# KiCad board usb_power_board.kicad_pcb (continued)
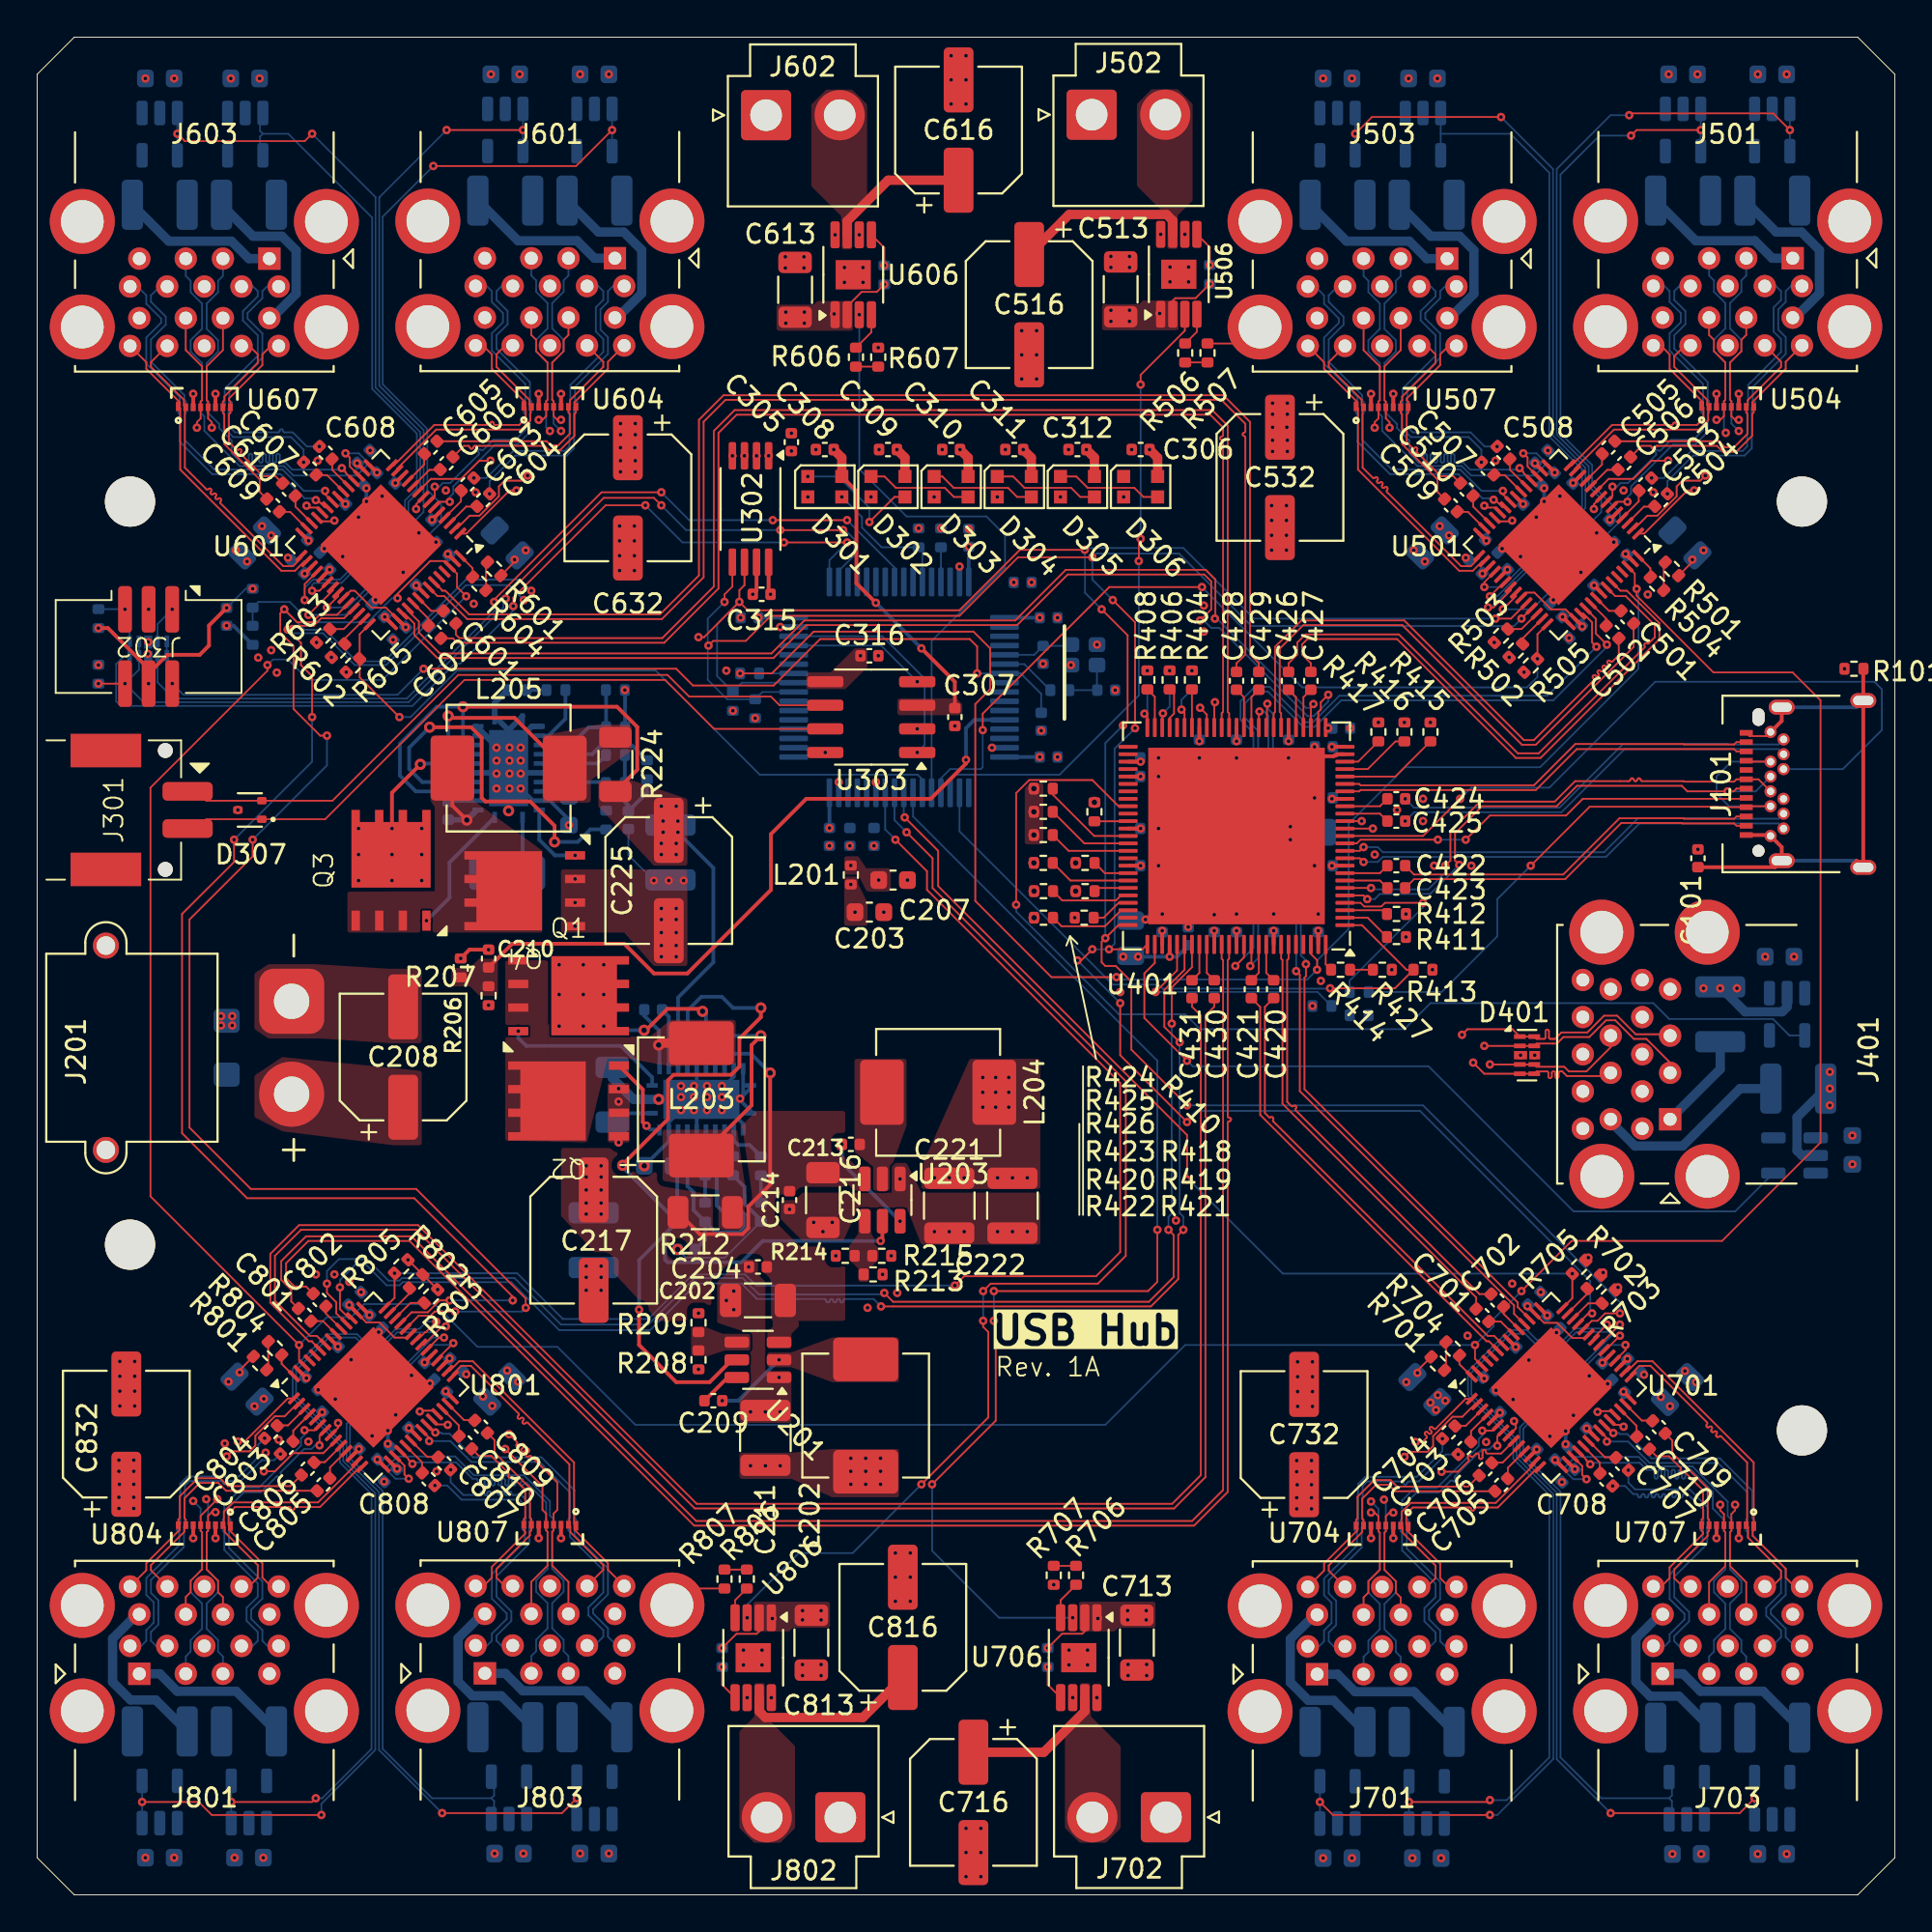
[diagram p0: board, top side]
## Routing (per net, layer and track width the routed paths; a pad name or vN(x,y) marks a point on that pad's centre or on a via; arc(x,y) is an arc through that point) (continued)
Net-(U501A-USB3UP_TXDP): length 1.6
  Top w0.095: U501.47 84.46,68.7 C502.2
Net-(U506-CL): length 1.8
  Top w0.09: U506.4 62.43,84.14 R506.1
Net-(U506-DELAY): length 1.9
  Top w0.095: U506.5 63.12,88.69 v1(63.12,87.74)
Net-(U601A-SPI_CE_N/CFG_NON_REM): length 1.8
  Top w0.095: U601.41 16.56,67.63 R602.2
Net-(U601A-SPI_DI/CFG_BC_EN): length 1.9
  Top w0.095: R603.2 16.51,68.14 U601.40
Net-(U601A-USB3UP_TXDM): length 1.6
  Top w0.095: U601.48 21.21,69.12 C601.2
Net-(U601A-USB3UP_TXDP): length 1.6
  Top w0.095: C602.2 21.06,68.7 U601.47
Net-(U606-CL): length 2.1
  Top w0.095: R606.1 44.91,84.11 U606.4
Net-(U606-DELAY): length 1.9
  Top w0.095: U606.5 45.6,88.67 v1(45.6,87.71)
Net-(U701A-SPI_CE_N/CFG_NON_REM): length 1.8
  Top w0.095: R702.2 83.44,32.35 U701.41
Net-(U701A-SPI_DI/CFG_BC_EN): length 1.9
  Top w0.095: U701.40 83.49,31.84 R703.2
Net-(U701A-USB3UP_TXDM): length 1.6
  Top w0.095: C701.2 78.79,30.86 U701.48
Net-(U701A-USB3UP_TXDP): length 1.6
  Top w0.095: C702.2 78.94,31.27 U701.47
Net-(U706-CL): length 2.1
  Top w0.095: R706.1 55.09,15.86 U706.4
Net-(U706-DELAY): length 1.9
  Top w0.095: U706.5 54.4,11.31 v1(54.4,12.27)
Net-(U801A-SPI_CE_N/CFG_NON_REM): length 1.8
  Top w0.095: R802.2 20.04,32.37 U801.41
Net-(U801A-SPI_DI/CFG_BC_EN): length 1.9
  Top w0.095: R803.2 20.09,31.86 U801.40
Net-(U801A-USB3UP_TXDM): length 1.6
  Top w0.09: C801.2 15.39,30.88 U801.48
Net-(U801A-USB3UP_TXDP): length 1.6
  Top w0.09: C802.2 15.54,31.3 U801.47
Net-(U806-CL): length 1.8
  Top w0.09: R806.1 37.57,15.86 U806.4
Net-(U806-DELAY): length 1.9
  Top w0.095: U806.5 36.87,11.31 v1(36.87,12.26)

## Copper pours and planes (outline as drawn; the poured copper is in the pictures)
+1V2 on Top: 47.6,38 47.6,39.2 50.2,45 54,45 54,38
+1V2 on Bottom: 75.6,74.38 76.6,73.38 78,73.38 78.4,72.98 78.4,72.78 78,72.38 77.8,72.38 77.6,72.58 75.8,72.58 74.8,73.58
+1V2 on Bottom: 12.2,74.38 13.2,73.38 14.6,73.38 15,72.98 15,72.78 14.6,72.38 14.4,72.38 14.2,72.58 12.4,72.58 11.4,73.58
+1V2 on Bottom: 70.16,55 70.16,59.4 69.36,59.4 69.36,58.6 68.76,58 68.76,56.4 69.36,55.8 69.36,55
+1V2 on Bottom: 87.8,25.6 86.8,26.6 85.4,26.6 85,27 85,27.2 85.4,27.6 85.6,27.6 85.8,27.4 87.6,27.4 88.6,26.4
+1V2 on Bottom: 24.4,25.62 23.4,26.62 22,26.62 21.6,27.02 21.6,27.22 22,27.62 22.2,27.62 22.4,27.42 24.2,27.42 25.2,26.42
+1V2 on PWRF.Cu: 0,100 0,0 100,0 100,100
+5V on Top: 46.3,64.4 49.5,64.4 49.8,64.1 49.8,63.5 46.4,63.5 46.3,63.6
+5V on Top: 32,60 30.2,60 30.2,58.6 33.2,55.4 35,55.4 35,59
+5V on Bottom: 6.8,1.4 8,1.4 8,4.6 7.2,4.6 7.2,3 6.8,2.6
+5V on Bottom: 74.4,98.38 73.2,98.38 73.2,95.18 74,95.18 74,96.78 74.4,97.18
+5V on Bottom: 11,98.38 9.8,98.38 9.8,95.18 10.6,95.18 10.6,96.78 11,97.18
+5V on Bottom: 5.6,23.8 5.6,20.4 4,20.4 4,23.8
+5V on Bottom: 25.6,1.62 26.8,1.62 26.8,4.82 26,4.82 26,3.22 25.6,2.82
+5V on Bottom: 6.4,98.38 5.2,98.38 5.2,95.18 6,95.18 6,96.78 6.4,97.18
+5V on Bottom: 70.2,1.38 71.4,1.38 71.4,4.58 70.6,4.58 70.6,2.98 70.2,2.58
+5V on Bottom: 93.6,1.6 94.8,1.6 94.8,4.8 94,4.8 94,3.2 93.6,2.8
+5V on Bottom: 25,98.6 23.8,98.6 23.8,95.4 24.6,95.4 24.6,97 25,97.4
+5V on Bottom: 69.8,98.38 68.6,98.38 68.6,95.18 69.4,95.18 69.4,96.78 69.8,97.18
+5V on Bottom: 98.21,40.35 94.96,40.35 94.96,41.1 96.96,41.1 97.21,41.35 98.21,41.35
+5V on Bottom: 66.1,77.3 66.1,80.7 67.7,80.7 67.7,77.3
+5V on Bottom: 29.8,98.6 28.6,98.6 28.6,95.4 29.4,95.4 29.4,97 29.8,97.4
+5V on Bottom: 88.4,98.6 87.2,98.6 87.2,95.4 88,95.4 88,97 88.4,97.4
+5V on Bottom: 30.2,1.62 31.4,1.62 31.4,4.82 30.6,4.82 30.6,3.22 30.2,2.82
+5V on Bottom: 11.6,1.4 12.8,1.4 12.8,4.6 12,4.6 12,3 11.6,2.6
+5V on Bottom: 69,23.78 69,20.38 67.4,20.38 67.4,23.78
+5V on Bottom: 93.2,98.6 92,98.6 92,95.4 92.8,95.4 92.8,97 93.2,97.4
+5V on Bottom: 75,1.38 76.2,1.38 76.2,4.58 75.4,4.58 75.4,2.98 75,2.58
+5V on Bottom: 31,76.2 31,79.6 32.6,79.6 32.6,76.2
+5V on Bottom: 89,1.6 90.2,1.6 90.2,4.8 89.4,4.8 89.4,3.2 89,2.8
+5V on Bottom: 93.55,47.66 93.55,50.91 92.54,50.91 92.54,50 92.79,49.41 92.79,47.66
+5V on PWRF.Cu: 29.4,53.4 29.4,81.6 0,81.6 0,100 100,100 100,0 0,0 0,24.5 8.4,24.5 8.4,18.4 60.4,18.4 64.8,22.8 64.8,24.3 71.8,24.3 71.8,22.8 72.75,21.85 86.4,21.85 92.6,28.05 92.6,70.95 85.2,78.35 75.95,78.35 69.2,71.6 64,71.6 61,74.6 48.4,74.6 47.93,73.2 47.13,73.2 46.2,74.6 41.2,74.6 35,68.4 35,53.4
+12V on Top: 57.32,84.23 61.52,84.23 61.53,85.83 59.52,85.83 59.32,85.63 57.32,85.63
+12V on Top: 39.8,84.2 44,84.2 44,85.8 42,85.8 41.8,85.6 39.8,85.6
+12V on Top: 29.85,35.61 35.1,35.61 35.1,37.86 31.6,37.86 30.85,39.86 28.85,39.86 28.85,36.11
+12V on Top: 42.68,15.77 38.47,15.77 38.47,14.17 40.48,14.17 40.67,14.37 42.67,14.37
+12V on Top: 60.2,15.78 56,15.78 56,14.18 58,14.18 58.2,14.38 60.2,14.38
+12V on Top: 32,42.2 31.48,40.2 28.2,40.2 28.2,36.54 33.44,30.89 37.37,30.89 37.37,30.9 43.5,30.9 43.5,42.2
+12V on Top: 44.9,37.8 44.9,39.2 44.1,39.2 43.7,39.6 41.3,39.6 41.3,38.8 40.7,38.2 40.1,38.2 40.1,37.5 40.8,37.5 41.5,38.2 43.7,38.2 44.1,37.8
+12V on Top: 39.2,29.4 40.6,29.4 40.6,30.2 41,30.6 41,33 40.2,33 39.6,33.6 39.6,34.2 38.8,34.2 38.8,33.6 39.6,32.8 39.6,30.6 39.2,30.2
+12V on PWRB.Cu: 31.1,40.5 13,40.5 7.5,46 7.5,71.4 16.1,80 60.78,80 63.6,82.41 63.6,100 0,100 0,0 63.3,0 63.9,0.6 63.9,17.2 60.6,20.5 17.75,20.5 7.5,29.29 7.5,34.3 9,35.8 31.1,35.8
/20gbps hub/VBUS on Bottom: 71.15,49.1 71.15,46.88 72.09,46.88 72.09,49.07
/20gbps hub/VBUS_MON on Bottom: 70.15,46.85 69.65,47.35 69.15,47.35 69.15,48.34 69.16,48.35 69.65,48.35 70.15,48.85 70.15,49.1 71.15,49.1 71.15,46.85
/20gbps hub/VBUSA on Bottom: 89.2,46.6 89.2,45.2 91.8,45.2 92,45.4 93.6,45.4 93.6,47 89.6,47
/20gbps hub/VBUSB on Bottom: 92.6,40.2 92.6,44.8 94,44.8 94,41.4 94.2,41.2 94.2,40.2
/Power Board/VBUS_{SENSE} on Top: 24.8,50.4 23.8,50.4 23.3,49.9 22.3,49.9 22.3,48.9 23.3,48.9 23.8,48.4 24.8,48.4
/Power Board/VCC_{5V} on Bottom: 31.1,57.93 31.1,58.68 30.1,58.68 29.1,59.68 28.1,59.68 28.1,58.68 29.1,58.68 30.1,57.93
/USB Hub 1/VBUSC on Bottom: 69.4,94.38 69.4,89.58 67.8,89.58 67.8,92.38 68.6,93.18 68.6,94.38
/USB Hub 1/VBUSD on Bottom: 74.1,94.28 74.1,89.48 72.5,89.48 72.5,92.28 73.3,93.08 73.3,94.28
/USB Hub 1/VBUSE on Bottom: 92.8,94.6 92.8,89.8 91.2,89.8 91.2,92.6 92,93.4 92,94.6
/USB Hub 1/VBUSK on Bottom: 88,94.6 88,89.8 86.4,89.8 86.4,92.6 87.2,93.4 87.2,94.6
/USB Hub 2/VBUSC on Bottom: 6,94.38 6,89.58 4.4,89.58 4.4,92.38 5.2,93.18 5.2,94.38
/USB Hub 2/VBUSD on Bottom: 10.7,94.28 10.7,89.48 9.1,89.48 9.1,92.28 9.9,93.08 9.9,94.28
/USB Hub 2/VBUSE on Bottom: 29.4,94.6 29.4,89.8 27.8,89.8 27.8,92.6 28.6,93.4 28.6,94.6
/USB Hub 2/VBUSK on Bottom: 24.6,94.6 24.6,89.8 23,89.8 23,92.6 23.8,93.4 23.8,94.6
/USB Hub 3/VBUSC on Bottom: 94,5.6 94,10.4 95.6,10.4 95.6,7.6 94.8,6.8 94.8,5.6
/USB Hub 3/VBUSD on Bottom: 89.3,5.7 89.3,10.5 90.9,10.5 90.9,7.7 90.1,6.9 90.1,5.7
/USB Hub 3/VBUSE on Bottom: 70.6,5.38 70.6,10.18 72.2,10.18 72.2,7.38 71.4,6.58 71.4,5.38
/USB Hub 3/VBUSK on Bottom: 75.4,5.38 75.4,10.18 77,10.18 77,7.38 76.2,6.58 76.2,5.38
/USB Hub 4/VBUSC on Bottom: 30.6,5.62 30.6,10.42 32.2,10.42 32.2,7.62 31.4,6.82 31.4,5.62
/USB Hub 4/VBUSD on Bottom: 25.9,5.72 25.9,10.52 27.5,10.52 27.5,7.72 26.7,6.92 26.7,5.72
/USB Hub 4/VBUSE on Bottom: 7.2,5.4 7.2,10.2 8.8,10.2 8.8,7.4 8,6.6 8,5.4
/USB Hub 4/VBUSK on Bottom: 12,5.4 12,10.2 13.6,10.2 13.6,7.4 12.8,6.6 12.8,5.4
GND on Top: 33.2,50 31.6,51.8 28.2,51.8 28.2,55.2 35,55.2 35,50
GND on Top: 20.7,49.85 18.95,49.85 14.95,50.1 12.45,50.1 11.7,49.6 11.7,46.6 12.45,46.1 15.2,46.1 18.95,45.85 20.7,45.85
GND on Top: 40.6,25.4 40.6,28.2 39.2,28.2 39.2,33 38.8,33.4 38.8,34.2 38,34.2 36.6,33 36.6,30.8 38.4,30.2 38.4,27.4 37.8,26.6 37.8,25.4
GND on Top: 54,35 54,37.8 47.6,37.8 46.8,39.4 46.2,39.4 46,39.2 46,37.8 41.2,37.8 40.8,37.4 40,37.4 40,36.4 41.2,35.2 43.4,35.2 44.2,37 46.8,37 47.6,35
GND on Top: 30.7,40.5 30.7,43.7 31.9,43.7 31.9,40.5
GND on Bottom: 98.21,38.85 98.21,40.1 94.96,40.1 94.96,39.35 96.46,39.35 96.96,38.85
GND on Bottom: 24,1.62 25.4,1.62 25.4,3.02 25.8,3.42 25.8,7.42 24.6,8.82 24.6,10.42 23.2,10.42 23.2,7.62 24.6,7.62 25,7.02 25,3.42 24.6,3.02 24,3.02
GND on Bottom: 28.6,1.62 30,1.62 30,3.02 30.4,3.42 30.4,7.42 29.2,8.82 29.2,10.42 27.8,10.42 27.8,7.62 29.2,7.62 29.6,7.02 29.6,3.42 29.2,3.02 28.6,3.02
GND on Bottom: 87.4,1.6 88.8,1.6 88.8,3 89.2,3.4 89.2,7.4 88,8.8 88,10.4 86.6,10.4 86.6,7.6 88,7.6 88.4,7 88.4,3.4 88,3 87.4,3
GND on Bottom: 31.4,98.6 30,98.6 30,97.2 29.6,96.8 29.6,92.8 30.8,91.4 30.8,89.8 32.2,89.8 32.2,92.6 30.8,92.6 30.4,93.2 30.4,96.8 30.8,97.2 31.4,97.2
GND on Bottom: 24.4,56.03 23.1,56.03 23.1,54.03 24.43,54.03 25.85,55.93 25.85,59.43 24.85,59.43 24.85,56.7
GND on Bottom: 73.4,1.38 74.8,1.38 74.8,2.78 75.2,3.18 75.2,7.18 74,8.58 74,10.18 72.6,10.18 72.6,7.38 74,7.38 74.4,6.78 74.4,3.18 74,2.78 73.4,2.78
GND on Bottom: 5.2,1.4 6.6,1.4 6.6,2.8 7,3.2 7,7.2 5.8,8.6 5.8,10.2 4.4,10.2 4.4,7.4 5.8,7.4 6.2,6.8 6.2,3.2 5.8,2.8 5.2,2.8
GND on Bottom: 71.4,98.38 70,98.38 70,96.98 69.6,96.58 69.6,92.58 70.8,91.18 70.8,89.58 72.2,89.58 72.2,92.38 70.8,92.38 70.4,92.98 70.4,96.58 70.8,96.98 71.4,96.98
GND on Bottom: 92,1.6 93.4,1.6 93.4,3 93.8,3.4 93.8,7.4 92.6,8.8 92.6,10.4 91.2,10.4 91.2,7.6 92.6,7.6 93,7 93,3.4 92.6,3 92,3
GND on Bottom: 9.4,46.1 9.4,47.85 12.45,50.1 14.95,50.1 15.65,49.35 15.65,46.85 14.95,46.1
GND on Bottom: 10,1.4 11.4,1.4 11.4,2.8 11.8,3.2 11.8,7.2 10.6,8.6 10.6,10.2 9.2,10.2 9.2,7.4 10.6,7.4 11,6.8 11,3.2 10.6,2.8 10,2.8
GND on Bottom: 68.6,1.38 70,1.38 70,2.78 70.4,3.18 70.4,7.18 69.2,8.58 69.2,10.18 67.8,10.18 67.8,7.38 69.2,7.38 69.6,6.78 69.6,3.18 69.2,2.78 68.6,2.78
GND on Bottom: 95.29,51 93.79,51 93.79,47.75 94.55,47.75 94.54,49.5 95.29,50.25
GND on Bottom: 8,98.38 6.6,98.38 6.6,96.98 6.2,96.58 6.2,92.58 7.4,91.18 7.4,89.58 8.8,89.58 8.8,92.38 7.4,92.38 7,92.98 7,96.58 7.4,96.98 8,96.98
GND on Bottom: 26.6,98.6 25.2,98.6 25.2,97.2 24.8,96.8 24.8,92.8 26,91.4 26,89.8 27.4,89.8 27.4,92.6 26,92.6 25.6,93.2 25.6,96.8 26,97.2 26.6,97.2
GND on Bottom: 94.8,98.6 93.4,98.6 93.4,97.2 93,96.8 93,92.8 94.2,91.4 94.2,89.8 95.6,89.8 95.6,92.6 94.2,92.6 93.8,93.2 93.8,96.8 94.2,97.2 94.8,97.2
GND on Bottom: 76,98.38 74.6,98.38 74.6,96.98 74.2,96.58 74.2,92.58 75.4,91.18 75.4,89.58 76.8,89.58 76.8,92.38 75.4,92.38 75,92.98 75,96.58 75.4,96.98 76,96.98
GND on Bottom: 90,98.6 88.6,98.6 88.6,97.2 88.2,96.8 88.2,92.8 89.4,91.4 89.4,89.8 90.8,89.8 90.8,92.6 89.4,92.6 89,93.2 89,96.8 89.4,97.2 90,97.2
GND on Bottom: 12.6,98.38 11.2,98.38 11.2,96.98 10.8,96.58 10.8,92.58 12,91.18 12,89.58 13.4,89.58 13.4,92.38 12,92.38 11.6,92.98 11.6,96.58 12,96.98 12.6,96.98
GND on GNDF.Cu, GNDB.Cu: 0,100 0,0 100,0 100,100
VBUS on Top: 20.7,44.35 13.2,45.1 11.7,44.1 11.7,41.85 13.2,41.1 19.2,40.35 20.7,40.35
VBUS on Bottom: 9.45,45.1 9.45,43.35 13.11,41.1 14.8,41.1 15.7,42.6 15.7,43.6 14.95,45.1
VBUS on Bottom: 27.35,54.68 25.85,54.68 25.85,58.43 26.35,58.43 26.6,56.93 27.35,56.93
VBUS on Bottom: 8.9,56.4 16.7,56.4 16.7,57.9 21.57,57.9 22.4,56.4 31.6,56.4 31.6,40.9 23.7,40.9 19.8,37 8.9,37
VDD on Top: 46.4,24 46.4,21.4 42.8,21.4 40.6,22.4 37.8,22.4 37.8,23.8 40.6,23.8 42.8,24
VDD on Top: 53.16,56.55 54.16,56.55 54.16,60.05 53.16,60.05
VDD on Top: 41.4,64.9 41.4,65.7 41.5,65.8 42.7,65.8 44,67.1 44.7,67.1 44.7,66.1 43.5,64.9
VDD on Top: 43.45,52.17 43.45,54.92 44.2,54.92 44.2,54.42 44.7,53.42 44.7,52.17
VDD on Bottom: 85,72.18 85.6,71.58 86.6,72.58 88,72.58 89,73.58 88.2,74.38 87.2,73.38 86.2,73.38
VDD on Bottom: 78.4,27.8 77.8,28.4 76.8,27.4 75.4,27.4 74.4,26.4 75.2,25.6 76.2,26.6 77.2,26.6
VDD on Bottom: 15,27.82 14.4,28.42 13.4,27.42 12,27.42 11,26.42 11.8,25.62 12.8,26.62 13.8,26.62
VDD on Bottom: 21.6,72.18 22.2,71.58 23.2,72.58 24.6,72.58 25.6,73.58 24.8,74.38 23.8,73.38 22.8,73.38
VDD on Bottom: 54.45,68.25 54.45,69.25 53.65,70.05 53.25,70.05 53.05,70.25 53.05,71.05 52.25,71.05 50.65,72.65 50.65,73.05 49.65,73.05 49.65,72.05 49.85,71.85 49.85,70.05 51.45,68.45 53.45,68.45 53.65,68.25
VDD on PWRB.Cu: 0,100 100,100 100,0 0,0
VDDA on Top: 45.95,54.02 45.95,55.26 44.63,55.27 44.2,55.92 43.45,55.92 43.45,54.92 44.2,54.92 44.65,54.01
VDDA on Bottom: 43.9,59.9 44.9,59.9 44.9,58.6 45.4,57.8 45.4,57.1 43.4,57.1 43.4,57.8 43.9,58.6
VDDA on Bottom: 45.9,54 45.9,55.3 45.4,56.1 45.4,57.1 43.4,57.1 43.44,55.91 43.44,54.91 44.19,54.91 44.6,54
/20gbps hub/PRT_CTL_{A} on Bottom: 94.79,45.5 94.79,49.25 95.54,49.25 95.55,45.5
/20gbps hub/PRT_CTL_{B} on Bottom: 96.46,38.35 96.46,39.35 92.71,39.35 92.71,38.35
/Power Board/FB_{1V17} on Top: 43.7,34.9 44.2,35.6 44.2,36.9 44.9,36.9 44.9,35.6 45.3,34.9 45.3,34.2 44.8,33.7 44.8,33 44.2,33 44.2,33.7 43.7,34.2
/Power Board/FB_{3V3 on Top: 35.2,30.6 35.2,29 36.1,29 37,29.3 38.4,29.3 38.4,30.2 36.9,30.2 35.9,30.6
/Power Board/IS_{5V} on Top: 27.2,62.4 27.2,58.8 29.8,58.8 29.8,60 32,61.6 32,63 30.2,63
/Power Board/IS_{12V} on Top: 36.67,35.69 38.17,35.69 38.17,37.69 37.67,41.19 33.67,41.19 33.67,38.44 36.67,37.94
/Power Board/SW_{1V17} on Top: 45,37.8 45,39.2 44,40 44,45 46.8,45 46.8,41.4 46,39.2 46,37.8
/Power Board/SW_{3V3} on Top: 39.2,29.2 39.2,28.4 40.6,28.4 42.8,27.6 46.4,27.6 46.4,30 42.8,30 40.6,29.2
/Power Board/SW_{5V} on Top: 21.4,51.8 21.4,58.55 21.18,58.9 21.2,62.4 23.5,62.4 23.5,58.9 27.2,56.2 27.2,51.8
/Power Board/SW_{5V} on Top: 16.7,51.8 16.7,54 27.2,54.05 27.2,51.8
/Power Board/SW_{12V} on Top: 25.2,50.3 25.2,40.6 27.5,40.6 27.5,50.3
/Power Board/SW_{12V} on Top: 25.2,40.6 25.2,48.3 28.65,46.2 32.99,46.2 34.1,47.1 37.6,47.1 37.6,44.7 34.1,44.6 31.9,45 30.7,45 29.6,40.5
Net-(J502-Pin_2) on Top: 60.8,88.6 60.8,90.4 59.2,92 59.2,96.4 60,97.2 61.4,97.2 62.2,96.4 62.2,91.2 61.4,90.4 61.4,88.6
Net-(J602-Pin_2) on Top: 43.28,88.57 43.28,90.37 41.68,91.97 41.68,96.37 42.47,97.17 43.88,97.17 44.68,96.37 44.68,91.17 43.88,90.37 43.88,88.57
Net-(J702-Pin_2) on Top: 56.72,11.4 56.72,9.6 58.32,8 58.32,3.6 57.53,2.8 56.12,2.8 55.32,3.6 55.32,8.8 56.12,9.6 56.12,11.4
Net-(J802-Pin_2) on Top: 39.2,11.4 39.2,9.6 40.8,8 40.8,3.6 40,2.8 38.6,2.8 37.8,3.6 37.8,8.8 38.6,9.6 38.6,11.4

## Text on the board
B.Silkscreen: J Grace | E TheFountain | C Chan | BLUESAT | S Haines
F.Silkscreen: Rev. 1A | USB Hub
